# Altium PCB SDR.PcbDoc (part 3 of 5) (continued)
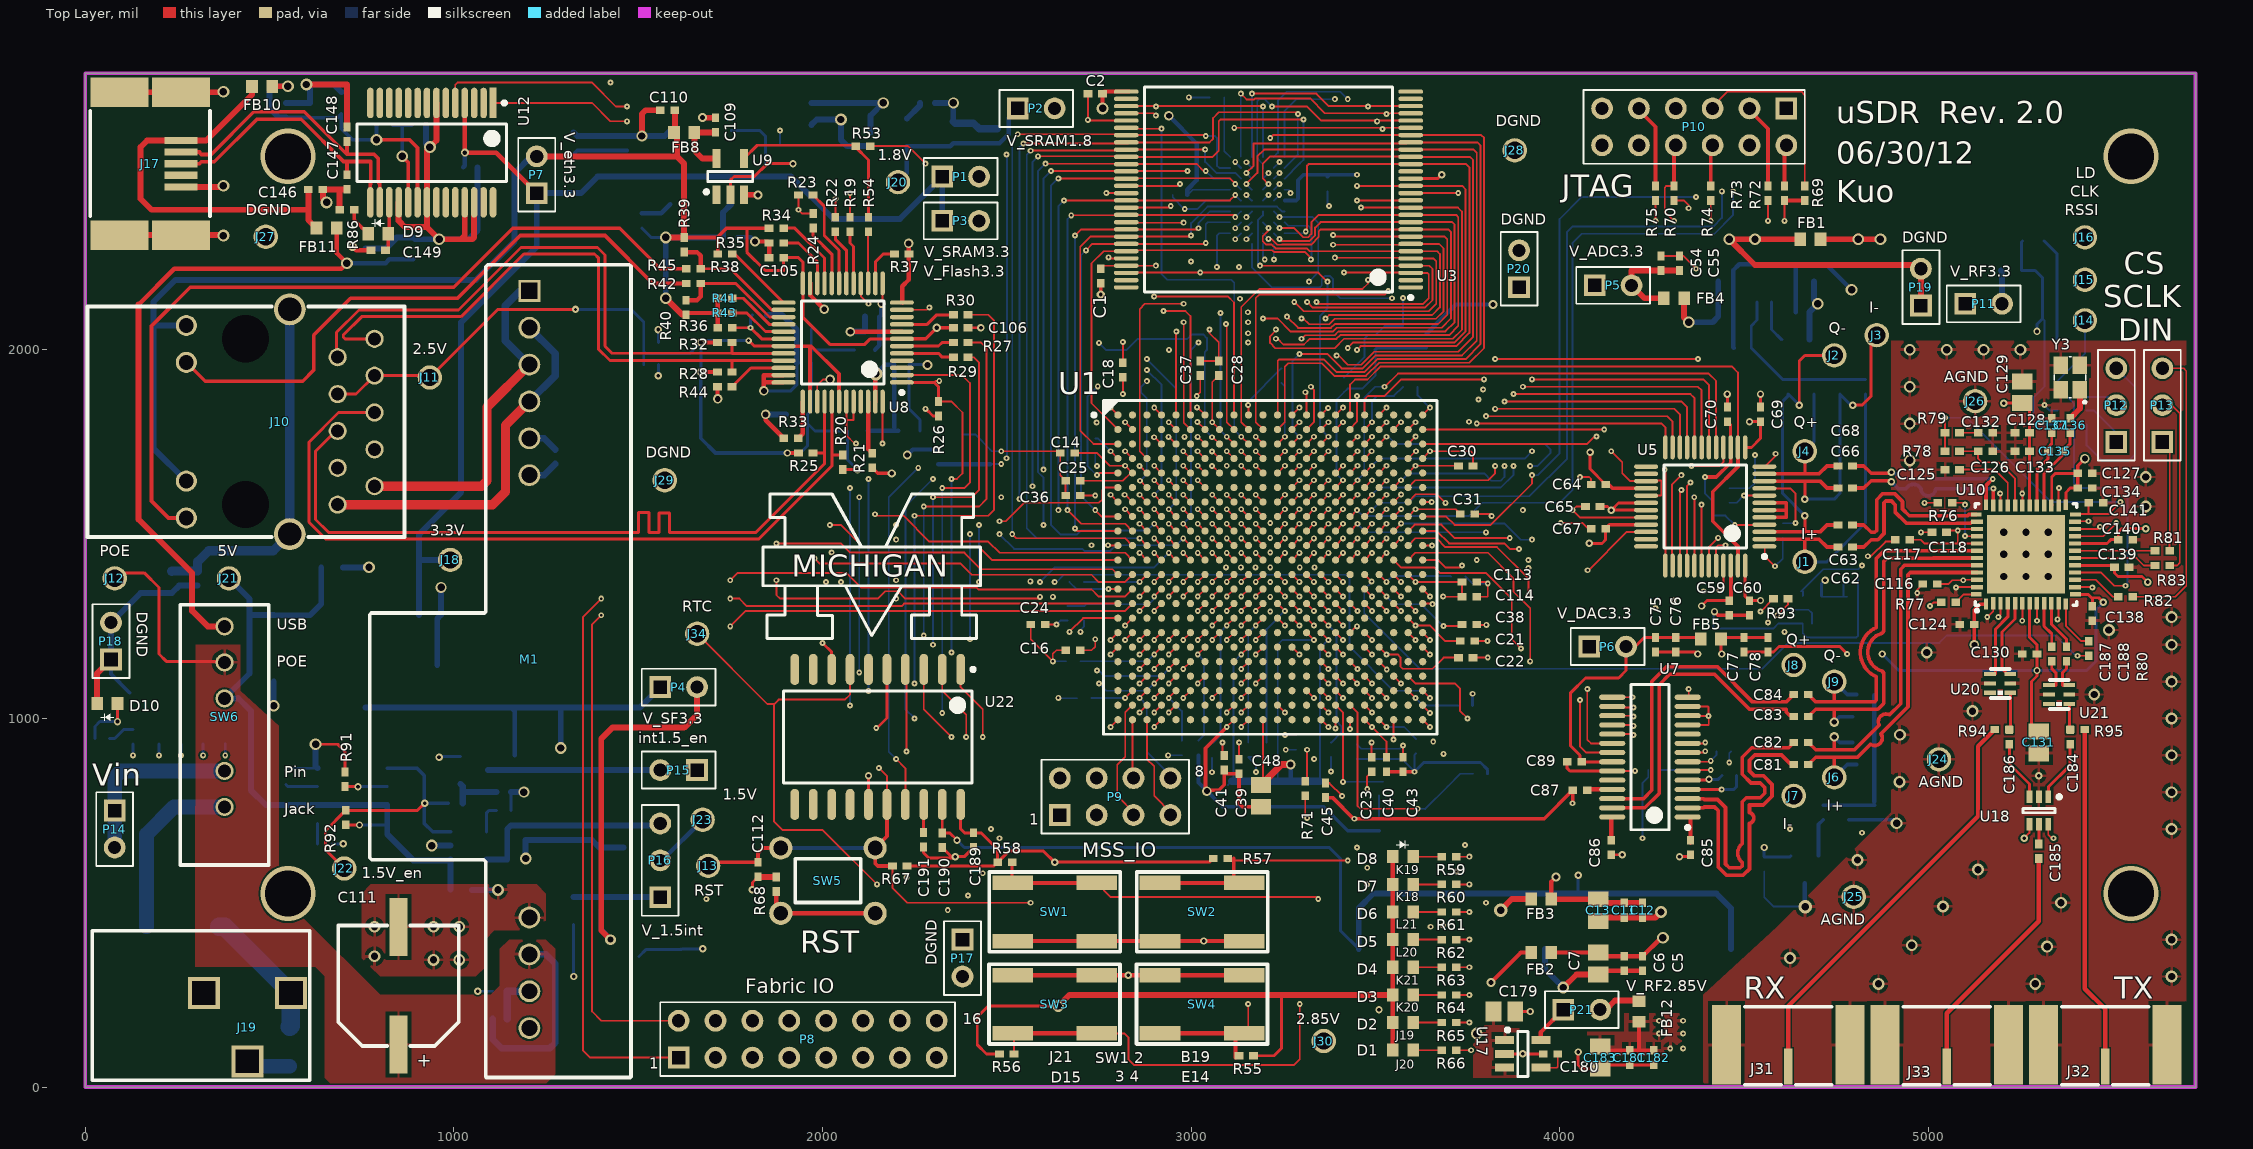
[diagram p0: Top Layer view]
## Nets (pads, with @x,y where several pads share a name; then routed paths per layer and width w, separated by ;. In a path a pad name is that pad's centre, name@x,y a point inside that pad or via, vN(x,y) a via of type N, cw(c..) or ccw(c..) an arc to the next point about the centre after c; other vN are vias at no path point) (continued)
  Top Layer w10: R70.2@4310,2444.69 P10.8@4310,2555
  Mid-Layer 2 w5: v1(3655,1310) 4230,1310 4240,1320 v1(4310,1320)
  Mid-Layer 3 w5: v1(4310,1320) v1(4310,2350)
LED_ACT: R39.1 R45.1 U8.26 | length 349.2
  Top Layer w8: R45.1@1674.69,2220 1750.31,2220 1861.72,2108.58 U8.26@1893.58,2108.58
  Top Layer w12: R39.1@1625,2265.32 1659.68,2265.32 1669.68,2255.32 R45.1@1669.68,2220
LED_SPD: R40.1 R42.1 U8.27 | length 335.8
  Top Layer w8: R42.1@1674.68,2180 1765,2180 1856.1,2088.9 U8.27@1893.58,2088.9
  Top Layer w12: R40.1@1630,2134.68 1659.68,2134.68 1669.68,2144.68 R42.1@1669.68,2180
MSS_USER_IO0: P9.1 U1.T3 | length 692.8
  Top Layer w5: v1(2860.67,1213.15) U1.T3@2880.35,1232.83
  Mid-Layer 3 w5: P9.1@2650,740 2705,795 2705,1205 2735,1235 2838.82,1235 v1(2860.67,1213.15)
MSS_USER_IO1: P9.2 U1.V3 | length 1065.6
  Top Layer w5: v1(2860.67,1134.41) U1.V3@2880.35,1154.09
  Mid-Layer 3 w5: P9.2@2650,840 2646,836 2600,790 2600,707 2618,689 2876,689 2900,713 2900,905 2958.26,963.26 2958.26,1145.74 2949.26,1154.74 2881,1154.74 v1(2860.67,1134.41)
MSS_USER_IO2: P9.3 U1.U3 | length 507.5
  Top Layer w5: v1(2860.67,1173.78) U1.U3@2880.35,1193.46
  Mid-Layer 3 w5: P9.3@2750,740 2800,790 2800,875 2840,915 2840,1153.11 v1(2860.67,1173.78)
MSS_USER_IO3: P9.4 U1.T4 | length 505.2
  Top Layer w5: v1(2900.04,1213.15) U1.T4@2919.72,1232.83
  Mid-Layer 3 w5: P9.4@2750,840 2750,875 2800,925 2800,1185 2810,1195 2880,1195 2898.15,1213.15 v1(2900.04,1213.15)
MSS_USER_IO4: P9.5 U1.AA2 | length 333.7
  Top Layer w5: U1.AA2@2840.98,1035.98 2821.3,1016.3 2821.3,896.3 2800,875 2800,790 2848,742 P9.5@2850,740
MSS_USER_IO5: P9.6 U1.AB2 | length 147.6
  Top Layer w5: P9.6@2840.98,849.02 U1.AB2@2840.98,996.61
MSS_USER_IO6: P9.7 U1.AB3 | length 285.5
  Top Layer w5: U1.AB3@2880.35,996.61 2880.35,889.65 2900,870 2900,790 2948,742 P9.7@2950,740
MSS_USER_IO7: P9.8 U1.Y3 | length 280.5
  Top Layer w5: v1(2860.67,1055.67) U1.Y3@2880.35,1075.35
  Bottom Layer w5: v1(2860.67,1055.67) 2880,1036.34 2880,910 2948,842 P9.8@2950,840
NetC61_2: C61.2 R2.1 R3.2 R4.2 R5.2 R6.2 R7.2 | length 477.1
  Bottom Layer w8: R2.1@4535.31,2130 4535.31,2080.63 R3.2@4519.69,2065 C61.2@4519.69,2005 4605,1919.69 R5.2@4620,1919.69 R7.2@4690,1919.69 R6.2@4760,1919.69 R4.2@4830,1919.69
NetC72_2: C72.2 U1.AA16 Y1.1 | length 381.3
  Top Layer w5: U1.AA16@3392.17,1035.98 3411.85,1016.3 v1(3411.85,828.15)
  Bottom Layer w5: v1(3411.85,828.15) Y1.1@3521.14,828.15 ; C72.2@3510,734.69 Y1.1@3510,790.71
NetC73_2: C73.2 U1.AA17 Y1.2 | length 638.4
  Top Layer w5: U1.AA17@3431.54,1035.98 3451.22,1016.3 3451.22,763.78 3460,755 v1(3615,755)
  Bottom Layer w5: v1(3615,755) 3635.71,755 ; 3635,754.29 3635.71,755 ; C73.2@3765.31,850 3730.71,850 Y1.2@3695.71,815 3635.71,755
NetC80_2: C80.2 R11.2 R12.1 R13.2 R14.2 R15.2 R16.2 | length 429
  Bottom Layer w10: R11.2@4715,764.69 R12.1@4785,764.68 C80.2@4855,764.69
  Bottom Layer w12: C80.2@4853.03,774.53 4853.03,875 4853.03,935 4853.03,1005 R16.2@4853.03,1063.5
NetC95_2: C95.2 C96.2 FB6.1 U8.13 | length 180.4
  Top Layer w5: v7@2163.27,2133.27 U8.13@2163.27,2180.43 U8.13@2163.27,2181.42
  Bottom Layer w12: FB6.1@2142.56,2000 2154.69,2012.13 C95.2@2154.69,2050 C96.2@2154.69,2090 2160,2095.31 v7(2160,2125)
NetC97_1: C97.1 C98.2 C99.2 C100.2 FB7.1 U8.47 | length 438.5
  Top Layer w12: U8.47@2143.58,1858.58 U8.47@2143.58,1859.57 v5@2143.58,1933.58
  Bottom Layer w12: FB7.1@2122.56,1780 C97.1@2205.47,1780 ; v5(2145,1935) 2170,1960 C98.2@2195.31,1960 C99.2@2195.31,1905 2195,1904.69 2195,1840 2195,1790.47 2195.31,1790.16 C100.2@2195.31,1840
NetC109_2: C109.2 FB8.1 U9.5 | length 175.7
  Top Layer w16: C109.2@1710,2590.31 1709.69,2590 FB8.1@1652.56,2590 1652.56,2540.87 1674.21,2519.21 U9.5@1712.6,2519.21
NetC126_1: C126.1 R78.2 U10.32 | length 265.9
  Top Layer w5: R78.2@5084.69,1725 C126.1@5135.31,1725 5135.31,1704.68 5145,1695 5190.47,1695 5235.47,1650 U10.32@5235.47,1577.87
NetC132_1: C132.1 R79.1 | length 50.6
  Top Layer w5: R79.1@5084.69,1775 C132.1@5135.31,1775
NetC135_1: C135.1 C136.2 U10.28 | length 226.8
  Top Layer w8: U10.28@5314.21,1577.87 5314.21,1664.21 5364.69,1714.68 C135.1@5364.69,1725 5385,1745.31 C136.2@5385,1775.31
NetC135_2: C135.2 C137.2 U10.29 | length 214.2
  Top Layer w8: U10.29@5294.53,1577.87 5294.53,1674.53 5325.31,1705.31 C135.2@5325.31,1725 5325.31,1735.31 5335,1745 C137.2@5335,1775.31
NetC136_1: C136.1 Y3.1 | length 86
  Top Layer w16: C136.1@5385,1814.68 5411.42,1841.1 Y3.1@5411.42,1889.72
NetC149_2: C149.2 D9.1 U12.17 | length 137.3
  Top Layer w10: C149.2@819.69,2265 822.56,2267.87 822.56,2270 D9.1@822.56,2315 824.84,2317.28 U12.17@824.84,2400.16
NetC154_2: C154.2 J19.1 L4.1 | length 362.4
  Bottom Layer w50: L4.1@363.43,435 378.11,435 J19.1@558.11,255 558.11,166.26 C154.2@555,163.15
NetC162_2: C162.2 U14.4 | length 57.6
  Bottom Layer w16: U14.4@2229.21,2627.4 2264.21,2662.4 2264.21,2668.9 C162.2@2265.31,2670
NetC167_2: C167.2 U15.4 | length 80.3
  Bottom Layer w8: U15.4@1089.21,692.4 1089.21,744.21 1095,750 C167.2@1115.31,750
NetC177_2: C177.2 U16.1 | length 55.1
  Bottom Layer w8: C177.2@630.31,660 630.31,714.8 U16.1@630.51,715
NetC178_2: C178.2 U16.3 | length 87.7
  Bottom Layer w8: C178.2@545,820.31 550.31,815 U16.3@630.51,815
NetC180_2: C180.2 U17.4 | length 81.9
  Top Layer w5: U17.4@3949.21,52.6 3992.6,52.6 3995,55 3994.69,55.31 C180.2@3994.69,90
NetC184_1: C184.1 U18.1 | length 167.5
  Top Layer w8: U18.1@5325.59,787.4 5325.59,813.88 5385,873.28 C184.1@5385,930.32
NetC185_2: C185.2 U18.5 | length 52.9
  Top Layer w8: C185.2@5300,659.69 U18.5@5300,712.6
NetC186_1: C186.1 U18.3 | length 165.5
  Top Layer w8: C186.1@5220,930.32 5220,876.29 5274.41,821.88 U18.3@5274.41,787.4
NetD1_2: D1.2 R66.2 | length 77.8
  Top Layer w5: D1.2@3602.56,100 R66.2@3680.31,100
NetD2_2: D2.2 R65.2 | length 77.8
  Top Layer w5: D2.2@3602.56,175 R65.2@3680.31,175
NetD3_2: D3.2 R64.2 | length 82.8
  Top Layer w5: D3.2@3602.56,250 R64.2@3680.31,250 R64.2@3685.31,250
NetD4_2: D4.2 R63.2 | length 77.8
  Top Layer w5: D4.2@3602.56,325 R63.2@3680.31,325
NetD5_2: D5.2 R62.2 | length 77.8
  Top Layer w5: D5.2@3602.56,400 R62.2@3680.31,400
NetD6_2: D6.2 R61.2 | length 82.8
  Top Layer w5: D6.2@3602.56,475 R61.2@3680.31,475 R61.2@3685.31,475
NetD7_2: D7.2 R60.2 | length 77.8
  Top Layer w5: D7.2@3602.56,550 R60.2@3680.31,550
NetD8_2: D8.2 R59.2 | length 77.8
  Top Layer w5: D8.2@3602.56,625 R59.2@3680.31,625
NetD9_2: D9.2 R86.2 | length 80.6
  Top Layer w10: R86.2@729.69,2380 729.69,2352.76 D9.2@767.44,2315
NetD10_1: D10.1 R88.2 | length 147.5
  Top Layer w8: v3(87.56,991.56) D10.1@87.56,1040
  Bottom Layer w8: R88.2@26.31,946 26.31,978.31 39.56,991.56 v3(87.56,991.56)
NetFB12_1: FB12.1 P21.2 | length 116.4
  Top Layer w16: P21.2@4110,210 4125,210 4150,235 4212.56,235 FB12.1@4215,232.56
NetJ10_12: J10.12 R42.2 | length 1650.2
  Top Layer w10: J10.12@274.37,1966.02 325.39,1915 590,1915 620,1945 620,2040 720,2140 1010,2140 1180,2310 1410,2310 1540,2180 R42.2@1630.31,2180
NetJ10_14: J10.14 R45.2 | length 2194.1
  Top Layer w10: J10.14@274.37,1543.98 226.02,1543.98 180,1590 180,2065 285,2170 1000,2170 1160,2330 1450,2330 1560,2220 R45.2@1630.31,2220
NetM1_5: M1.5 R50.1 | length 82.6
  Bottom Layer w18: M1.5@1205,1760 1244.68,1760 R50.1@1275,1729.68
NetM1_6: M1.6 R50.2 | length 82.6
  Bottom Layer w18: M1.6@1205,1660 1244.68,1660 R50.2@1275,1690.31
NetM1_9: M1.9 R47.1 R48.1 | length 135.3
  Bottom Layer w20: R47.1@1144.68,185 R48.1@1144.68,260 M1.9@1205,260
NetP14_1: P14.1 P14.2 SW6.2 | length 495.3
  Bottom Layer w40: P14.2@80,650 P14.1@80,750 80,840 97.64,857.64 SW6.2@378,857.64
NetP15_2: P15.2 Q1.3 R87.1 | length 467.7
  Bottom Layer w16: Q1.3@1092.4,860 1164.69,860 R87.1@1165,860.32 P15.2@1560,860.32
NetQ1_1: Q1.1 R89.1 R90.1 | length 146.2
  Bottom Layer w16: Q1.1@1017.6,822.6 Q1.1@1024.68,815.51 ; 1024.69,800 R90.1@1115.32,800
  Bottom Layer w18: R89.1@1024.68,770 1024.68,800 Q1.1@1024.68,815.51
NetQ2_1: Q2.1 U1.AB20 | length 3166.8
  Top Layer w5: v1(3549,943) 3549.65,943.65 U1.AB20@3549.65,996.61
  Mid-Layer 2 w8: v3(1325,300) 1365,260 3460,260 v3(3510,210)
  Mid-Layer 3 w8: v3(3510,210) 3550,250 v1@3550,943
  Bottom Layer w5: Q2.1@1325.04,441.1 Q2.1@1325.04,441.1
  Bottom Layer w8: v3(1325,300) Q2.1@1325.04,441.1
NetR1_2: R1.2 U2.A6 | length 168.3
  Bottom Layer w5: R1.2@3090,2684.68 3090,2539.29 U2.A6@3106.18,2523.11
NetR2_2: R2.2 U4.2 | length 114
  Bottom Layer w8: R2.2@4574.69,2130 4574.69,2055.51 U4.2@4602.6,2027.6
NetR8_2: R8.2 U5.8 | length 103.8
  Top Layer w5: v1(4500,1605) 4554.96,1605 U5.8@4555.43,1604.53
  Bottom Layer w5: R8.2@4460,1585.31 4480.31,1585.31 v1(4500,1605)
NetR11_1: R11.1 U6.2 | length 103.1
  Bottom Layer w10: U6.2@4702.4,627.4 4702.4,712.72 R11.1@4715,725.32
NetR17_2: R17.2 U7.6 | length 204
  Top Layer w5: U7.6@4347.36,857.5 4349.86,860 v1(4410,860)
  Bottom Layer w5: R17.2@4269.69,860 R17.2@4279.69,860 v1(4410,860)
NetR18_2: R18.2 U7.7 | length 95
  Top Layer w5: U7.7@4347.36,882.5 4407.5,882.5 v1(4410,885)
  Bottom Layer w5: v1(4410,885) 4425.31,900.31 R18.2@4425.31,910
NetR19_2: R19.2 U8.17 | length 142.8
  Top Layer w8: R19.2@2075,2320.31 2075,2290 2084.53,2280.47 U8.17@2084.53,2181.42
NetR21_1: R21.1 U8.46 | length 143.5
  Top Layer w12: U8.46@2123.9,1858.58 2123.9,1730.79 R21.1@2135,1719.68
NetR22_2: R22.2 U8.18 | length 151.3
  Top Layer w8: R22.2@2035,2320.31 2035,2300 2064.84,2270.16 U8.18@2064.84,2181.42
NetR23_2: R23.2 U8.19 | length 267.8
  Top Layer w8: R23.2@1974.69,2420 2005,2389.69 2005,2310.11 2045.16,2269.96 U8.19@2045.16,2181.42
NetR24_2: R24.2 U8.20 | length 169.8
  Top Layer w8: R24.2@1975,2330.31 1975,2310 2025.47,2259.53 U8.20@2025.47,2181.42
NetR27_2: R27.2 U8.6 | length 143
  Top Layer w8: U8.6@2216.42,2010.16 2315.16,2010.16 2325,2020 R27.2@2355.31,2020
NetR29_2: R29.2 U8.5 | length 143.2
  Top Layer w8: U8.5@2216.42,1990.47 2314.53,1990.47 2325,1980 R29.2@2355.31,1980
NetR30_2: R30.2 U8.9 | length 150.7
  Top Layer w8: U8.9@2217.2,2070 2216.42,2069.21 2284.21,2069.21 2310,2095 R30.2@2355.31,2095
NetR33_1: R33.1 U8.37 | length 103.6
  Top Layer w12: R33.1@1934.68,1760 1946.73,1772.05 U8.37@1946.73,1858.58
NetR34_2: R34.2 U8.21 | length 212.4
  Top Layer w8: R34.2@1894.69,2330 1925,2330 2005.79,2249.21 U8.21@2005.79,2181.42
NetR35_2: R35.2 U8.22 | length 170.1
  Top Layer w8: R35.2@1894.69,2290 1935,2290 1986.1,2238.9 U8.22@1986.1,2181.42
NetR37_2: R37.2 U8.14 | length 117.8
  Top Layer w8: U8.14@2143.58,2181.42 2143.58,2238.58 2165,2260 R37.2@2195.31,2260
NetR38_1: R38.1 U8.25 | length 193.1
  Top Layer w8: R38.1@1755,2260 1761.85,2260 U8.25@1893.58,2128.27
NetR44_2: R44.2 U8.34 | length 160.1
  Top Layer w8: R44.2@1754.69,1900 1805.79,1951.1 U8.34@1893.58,1951.1
NetR49_2: R49.2 Y2.1 | length 87.5
  Bottom Layer w12: R49.2@1510,2370.31 1562.64,2370.31 Y2.1@1587.32,2395
NetR51_1: R51.1 R52.1 Y2.3 | length 173.7
  Bottom Layer w8: Y2.3@1752.68,2595 1830,2595 1845.32,2579.68 R51.1@1845.32,2555 R52.1@1845.32,2505
NetR52_2: R52.2 U9.2 | length 263.2
  Top Layer w8: U9.2@1750,2420.79 1750,2460 1760,2470 1815,2470 1850,2505 v3(1920,2505)
  Bottom Layer w8: R52.2@1884.69,2505 v3(1920,2505)
NetR53_1: R53.1 R54.1 U9.4 | length 524.3
  Top Layer w8: U9.4@1787.4,2519.21 1823.19,2555 2085,2555 2088.86,2551.14 2125,2515 2125,2405 R54.1@2125,2359.68
NetR55_1: R55.1 SW4.1 SW4.3 U1.E14 | length 2016.8
  Top Layer w5: SW4.1@3155,157.09 v1(3155,225) ; U1.E14@3313.43,1665.91 v1(3333.11,1685.59)
  Top Layer w10: R55.1@3120.47,80 3120.47,85 3120.47,145.47 3121.26,146.26 SW4.1@3125,150
  Top Layer w12: SW4.3@2915.83,146.26 3121.26,146.26 SW4.1@3144.17,146.26
  Mid-Layer 3 w5: v1(3155,225) 3155,1655 3165,1665 3312.52,1665 v1(3333.11,1685.59)
NetR56_1: R56.1 SW3.1 SW3.3 U1.D15 | length 2622.2
  Top Layer w5: SW3.3@2515.83,146.26 2519.68,142.4 R56.1@2519.68,90 ; SW3.1@2745.43,145 2820,145 2830,135 2830,75 2845,60 3280,60 3295,75 v1(3295,225) ; U1.D15@3352.8,1705.28 v1(3372.48,1724.96)
  Top Layer w12: SW3.3@2515.83,146.26 SW3.1@2744.17,146.26
  Mid-Layer 3 w5: v1(3295,225) 3295,1060 3352.52,1117.52 3352.52,1705 v1(3372.48,1724.96)
NetR57_1: R57.1 SW2.1 SW2.3 U1.B19 | length 1911.5
  Top Layer w5: R57.1@3109.53,620 3120.47,615 v1(3425,615) ; U1.B19@3510.28,1784.02 v1(3529.96,1803.7)
  Top Layer w10: SW2.3@3115.47,555 3115.47,617.28 3115.47,620
  Top Layer w12: SW2.1@2915.83,553.74 SW2.3@3144.17,553.74
  Mid-Layer 3 w5: v1(3425,615) 3427.35,617.35 3427.35,944.72 3416.04,956.04 3416.04,977.96 3430,991.92 3430,1735 3440,1745 3495,1745 3510,1760 3510,1783.74 v1(3529.96,1803.7)
NetR58_1: R58.1 SW1.1 SW1.3 U1.J21 | length 2732.9
  Top Layer w5: SW1.3@2744.17,553.74 2782.41,515.5 3339.5,515.5 v1(3345,510) ; U1.J21@3589.02,1508.43 3606.36,1525.77 3679.23,1525.77 3715.5,1489.5 v1(3864.5,1489.5)
  Top Layer w8: R58.1@2514.68,610 2514.68,554.88 SW1.1@2515.83,553.74
  Top Layer w12: SW1.1@2515.83,553.74 SW1.3@2744.17,553.74
  Mid-Layer 2 w5: v1(3345,510) 3355,500 v1(3800,500)
  Mid-Layer 3 w5: v1(3800,500) 3805,500 3830,525 3830,1375 3910,1455 3910,1470 3890.5,1489.5 v1(3864.5,1489.5)
NetR68_2: R68.2 SW5.1 SW5.3 | length 333.3
  Top Layer w12: R68.2@1875,530.31 1875,483.46 SW5.3@1887.05,471.42 SW5.1@2142.95,471.42
  Bottom Layer w12: SW5.3@1887.05,457.95 SW5.3@1887.05,471.42
NetR71_2: R71.2 U1.R16 | length 564.3
  Top Layer w5: R71.2@3315,834.69 v1(3315,915) ; U1.R16@3392.17,1272.2 v1(3411.85,1252.52)
  Mid-Layer 2 w5: v1(3315,915) 3315,1265 3320,1270 3394.37,1270 v1(3411.85,1252.52)
NetR77_2: R77.2 U10.48 | length 64.5
  Top Layer w5: R77.2@5074.69,1315 5096.42,1336.73 U10.48@5130.16,1336.73
NetR80_2: R80.2 U10.12 | length 137.6
  Top Layer w5: U10.12@5373.27,1310.16 5373.27,1251.73 5415.31,1209.69 R80.2@5435,1209.69
NetR84_1: R84.1 R85.2 U12.19 | length 267.1
  Top Layer w10: v2(860,2525) 876.02,2508.98 U12.19@876.02,2400.16
  Bottom Layer w10: R84.1@834.68,2610 860,2610 ; v2(860,2525) 860,2610 ; R85.2@885.31,2610 860,2610
NetR91_2: R91.2 U16.6 | length 114.6
  Top Layer w8: R91.2@705,815.31 739.69,815.31 v3(740,815)
  Bottom Layer w8: v3(740,815) U16.6@819.49,815
NRESET: C112.2 J13.1 R67.1 SW5.2 SW5.4 U1.R1 U3.14 U8.48 U22.16 | length 8517.7
  Top Layer w5: v1(2153,866) 2175,844 U22.16@2175,766.93 ; v1(2163,1746) 2163.27,1746.27 U8.48@2163.27,1859.57 ; R67.1@2190.32,600 2190.32,539.68 2230,500 v1(2565,500) ; v1(2670,1235) 2707.2,1272.2 U1.R1@2801.61,1272.2 ; U3.14@3595.83,2425.16 v1(3724.84,2425.16)
  Top Layer w10: J13.1@1690,600 1699.69,609.69 C112.2@1825,609.69 1825,635 1838.58,648.58 SW5.4@1887.05,648.58 ; U22.16@2175,766.93 2175,680.63 SW5.2@2142.95,648.58 2142.95,607.05 2150,600 R67.1@2190.32,600
  Mid-Layer 2 w8: v1(1425,2725) 1400,2725 1370,2695 1370,735 1440,665 SW5.4@1870.63,665
  Mid-Layer 2 w10: SW5.4@1870.63,665 SW5.4@1887.05,648.58
  Mid-Layer 3 w5: v1(2153,866) 2166,879 2166,1743 v1(2163,1746) ; v1(2565,500) 2574,509 2574,889 2590,905 2655,905 2670,920 v1(2670,1235)
  Mid-Layer 3 w8: v1(1425,2725) 3680,2725 3725,2680 v1@3725,2425.32
  Mid-Layer 3 w10: v1(3724.84,2425.16) v1@3725,2425.32
  Bottom Layer w10: SW5.4@1887.05,648.58 SW5.2@2142.95,648.58
NWEN: R43.1 U8.29 | length 159.5
  Top Layer w8: R43.1@1755,2100 1795,2100 1845.47,2049.53 U8.29@1893.58,2049.53
P\D\: R31.1 R36.1 U8.30 | length 188.3
  Top Layer w8: R36.1@1755,2060 v1(1805,2060) 1835.16,2029.84 U8.30@1893.58,2029.84
  Bottom Layer w8: v1(1805,2060) 1805,2089.68 R31.1@1810.32,2095
PU_N: P15.1 U1.W17 | length 2705.6
  Top Layer w5: U1.W17@3431.54,1114.72 3431.54,1113.96 v1(3450.5,1095)
  Mid-Layer 2 w5: v1(1685,510) 1685.41,510.41 1715.41,510.41 1805,600 2200,600 2250,650 v1(3450,650)
  Mid-Layer 3 w5: P15.1@1660,860 1634.43,834.43 1634.43,560.57 v1(1685,510) ; v1(3450,650) 3470,650 3470,745 3450,765 3450.5,765.5 v1(3450.5,1095)
R\X\_TX: R93.2 U18.6 U19.2 | length 1588.3
  Top Layer w5: v1(4590,1280) 4619.69,1309.69 R93.2@4619.69,1325 ; U18.6@5325.59,712.6 5325.59,684.41 5337.5,672.5 5340,670 v1(5340,675)
  Mid-Layer 2 w5: v1(4625,700) 4680,645 5310,645 v1(5340,675)
  Mid-Layer 3 w5: v1(4590,1280) 4590,735 v1(4625,700)
  Bottom Layer w5: v1(4590,1280) 4605,1295 4675,1295 4685,1285 U19.2@4685,1257.6
RD_N: J10.2 R32.2 U8.32 | length 1670
  Top Layer w8: J10.2@685,1980 682,1983 682,2042.46 682,2047.46 742.54,2108 1012.54,2108 1182.54,2278 1389.46,2278 1410,2257.46 1410,2010 1429.21,1990.79 1754.69,1990.79 ; R32.2@1754.69,2020 1754.69,1990.79 ; U8.32@1894.57,1990.47 1755,1990.47 1754.69,1990.79
RD_P: J10.1 R28.2 U8.33 | length 1673.4
  Top Layer w8: J10.1@785,2030 705,2030 700,2035 700,2040 750,2090 1020,2090 1190,2260 1382,2260 1392,2250 1392,2002.54 1423.76,1970.79 1755,1970.79 ; R28.2@1754.69,1940 1754.69,1970.47 1755,1970.79 ; U8.33@1894.57,1970.79 1755,1970.79
RF_C\S\: P13.3 R82.2 U1.H20 | length 3995.7
  Top Layer w5: U1.H20@3549.65,1547.8 v1(3570,1568.15) ; R82.2@5554.69,1330 5670,1330 5700,1360 5700,1942.65 5692.65,1950 P13.3@5635,1950
  Mid-Layer 2 w5: v1(3792.5,1892.5) 3990,2090 3990,2260 4235,2505 5440,2505 5635,2310 P13.3@5635,1950
  Mid-Layer 3 w5: v1(3570,1568.15) 3585.5,1583.65 3585.5,1865.5 3612.5,1892.5 v1(3792.5,1892.5)
RF_DIN: P13.1 R81.2 U1.J22 | length 3996.5
  Top Layer w5: U1.J22@3628.39,1508.43 3666.57,1508.43 3700,1475 3850,1475 3865,1460 v1(3890,1460) ; P13.1@5635,1750 5655,1730 5655,1500 5654.69,1499.69 R81.2@5654.69,1455
  Mid-Layer 2 w5: v1(3754,1805) 4025,2076 4025,2225 4275,2475 5415,2475 5570,2320 5570,1775 5595,1750 P13.1@5635,1750
  Mid-Layer 3 w5: v1@3755,1805 3755,1425 3775,1405 3835,1405 v1(3890,1460)
RF_LD: J16.1 U10.22 | length 922.5
  Top Layer w5: U10.22@5397.87,1513.9 5460,1513.9 v1(5466.1,1520)
  Mid-Layer 2 w5: J16.1@5425,2305 5365,2245 5365,1805 5455,1715 5455,1531.1 v1(5466.1,1520)
RF_R\X\/TX: R77.1 R93.1 U1.L18 | length 1746.2
  Top Layer w5: U1.L18@3470.91,1429.69 3490.22,1449 v1(3491,1449) ; v1(4545,1290) 4580,1325 R93.1@4580.31,1325 ; v1(5005,1305) 5015,1315 R77.1@5035.31,1315
  Mid-Layer 2 w5: v1(3491,1449) 3550,1390 4066.08,1390 4087.08,1369 4535,1369 4599,1305 ; v1(4545,1290) 4560,1305 4599,1305 ; v1(5005,1305) 4599,1305
RF_RX_ALT: J31.1 R94.1 | length 1146.4
  Top Layer w11.9: J31.1@4620,55.71 4620,220 5135,735 5135,924.69 R94.1@5180.31,970
RF_RX_UB: C186.2 R94.2 U20.1 | length 97.2
  Top Layer w8: R94.2@5222.56,972.24 U20.1@5222.56,1069.41
RF_RXHP: R76.2 U10.40 | length 154.8
  Top Layer w5: R76.2@5064.69,1585 5095,1585 v1(5100,1580) ; v1(5100,1495) 5100.79,1494.21 U10.40@5132.13,1494.21
  Bottom Layer w5: v1(5100,1495) v1(5100,1580)
RF_S\H\D\N\: R80.1 U1.M18 | length 2210.1
  Top Layer w5: U1.M18@3470.91,1390.32 v1(3490,1371.22) v1@3490,1370 ; v1(5405,1170) 5434.68,1170 R80.1@5435,1170.32
  Bottom Layer w5: v1(3490,1371.22) 3490,1370 3470,1350 3470,1285 3620,1135 4550,1135 4620,1205 5030,1205 5050,1225 5345,1225 5400,1170 v1(5405,1170)
RF_SCLK: P13.2 R83.2 U1.L22 | length 3798.6
  Top Layer w5: U1.L22@3628.39,1429.69 3670.31,1429.69 3690,1410 v1@3730,1410 ; P13.2@5635,1850 5660,1850 5682.35,1827.65 5682.35,1422.35 5675,1415 R83.2@5654.69,1415
  Mid-Layer 2 w5: v1(3780,1865) 3795,1865 4010,2080 4010,2245 4255,2490 5425,2490 5590,2325 5590,1895 P13.2@5635,1850
  Mid-Layer 3 w5: v1(3735,1415) 3735,1820 v1(3780,1865)
RF_SW_UB: C185.1 J33.1 | length 668.2
  Top Layer w11.9: J33.1@5050,55.71 5050,200 5300,450 C185.1@5300,620.32
RF_TX_ALT: J32.1 R95.1 | length 937.2
  Top Layer w11.9: R95.1@5424.69,970 5424.69,266.93 5480,211.62 J32.1@5480,55.71
RF_TX_I_BIAS_N: C82.1 U7.3 | length 862
  Top Layer w10: U7.3@4349.51,782.48 4390,782.48 4392.49,779.99 4428.28,779.99 4450,758.27 4450,605 4460,595 4490,595 4495,600 4495,610 cw(c4514.94,635) 4495,660 4495,774.14 4505.86,785 4543.98,785 4556.12,797.14 4556.12,812.86 4543.98,825 4518.86,825 4495,848.86 4495,895 4520.86,920.86 4621.17,920.86 C82.1@4635.31,935
RF_TX_I_BIAS_P: C81.1 U7.2 | length 862
  Top Layer w10: U7.2@4349.51,757.5 4390,757.5 4392.49,759.99 4420,759.99 4430,749.99 4430,596.72 4451.72,575 4498.28,575 4515,591.72 4515,715 ccw(c4511.19,730) 4515,745 4515,765 4552.26,765 4576.12,788.86 4576.12,821.14 4552.26,845 4527.14,845 4515,857.14 4515,886.72 4529.14,900.86 4601.58,900.86 C81.1@4627.44,875
RF_TX_I_N: C82.2 J7.1 R14.1 U10.44 | length 1196.5
  Top Layer w10: C82.2@4674.69,935 4694.69,915 4745,915 ; v10(4745,950) 4745,915 ; U10.44@5132.13,1415.47 4935.47,1415.47 4925,1405 4925,1040 4894.85,1009.85 ccw(c4885.56,990.86) 4866.57,981.57 4800,915 4745,915
  Mid-Layer 3 w10: J7.1@4635,790 4635,840 v10(4745,950)
  Bottom Layer w10: v10(4745,950) 4760,935 R14.1@4795.47,935
RF_TX_I_P: C81.2 J6.1 R13.1 U10.45 | length 1029.1
  Top Layer w10: C81.2@4674.69,875 4694.69,895 4745,895 ; J6.1@4745,840 4745,895 ; U10.45@5132.13,1395.79 4950.79,1395.79 4945,1390 4945,1031.72 4871.57,958.28 cw(c4854.71,946.86) 4843.28,930 4808.28,895 4745,895
  Bottom Layer w10: J6.1@4745,840 4780,875 R13.1@4805.31,875
RF_TX_Q_BIAS_N: C84.1 U7.26 | length 859.9
  Top Layer w10: U7.26@4140.49,782.48 U7.26@4142.64,782.5 4227.48,782.48 4250,805 4250,1100 4290,1140 4428.28,1140 4523.28,1045 4615,1045 4627.44,1057.44 C84.1@4627.44,1065
RF_TX_Q_BIAS_P: C83.1 U7.27 | length 862
  Top Layer w10: U7.27@4140.49,757.5 U7.27@4142.64,757.5 4230.78,757.5 4270,796.72 4270,1091.72 4298.28,1120 4420,1120 4515,1025 4615,1025 4615,1017.44 C83.1@4627.44,1005
RF_TX_Q_N: C84.2 J9.1 R16.1 U10.42 | length 1025.7
  Top Layer w10: C84.2@4674.69,1065 4694.69,1045 ; 4695,1045 4745,1045 ; J9.1@4745,1100 4745,1045 ; U10.42@5132.13,1454.84 5005.16,1454.84 5005,1455 4880,1455 4859.14,1434.14 4859.14,1246.86 ccw(c4888.73,1180) 4859.14,1113.14 4859.14,1049.14 4855,1045 4745,1045
  Bottom Layer w10: J9.1@4745,1100 4780,1065 R16.1@4805.31,1065
RF_TX_Q_P: C83.2 J8.1 R15.1 U10.43 | length 1191.5
  Top Layer w10: C83.2@4674.69,1005 4694.69,1025 ; 4695,1025 4745,1025 ; v10(4745,990) 4745,1025 ; U10.43@5132.13,1435.16 5013.44,1435.16 5013.28,1435 4888.28,1435 4879.14,1425.86 4879.14,1240 cw(c4869.14,1240) 4872.24,1230.49 ccw(c4888.73,1180) 4872.24,1129.51 cw(c4869.14,1120) 4879.14,1120 4879.14,1040.86 4863.28,1025 4745,1025
  Mid-Layer 3 w10: J8.1@4635,1145 4635,1100 v10(4745,990)
  Bottom Layer w10: v10(4745,990) 4760,1005 R15.1@4795.47,1005
RF_TX_UB: C184.2 R95.2 U21.1 | length 67.3
  Top Layer w8: C184.2@5382.56,972.13 U21.1@5382.56,1039.41
RMII_CRSDV: R30.1 U1.W4 | length 1962.2
  Top Layer w5: v1(2250,1550) 2450,1550 2465,1565 2465,2080 2450,2095 R30.1@2394.68,2095 ; v1(2900.04,1095.04) U1.W4@2919.72,1114.72
  Mid-Layer 2 w5: v1(2250,1095) v1(2750,1095)
  Bottom Layer w5: v1(2250,1095) v1(2250,1550) ; v1(2750,1095) 2770,1075 2880,1075 v1(2900.04,1095.04)
RMII_MDC: U1.AA3 U8.2 | length 1718.7
  Top Layer w5: U8.2@2215.43,1931.42 2378.58,1931.42 2400,1910 2400,1640 2385,1625 v1(2325,1625) ; v1(2860.67,1016.3) U1.AA3@2880.35,1035.98
  Mid-Layer 2 w5: v1(2325,1015) 2326.3,1016.3 v1(2860.67,1016.3)
  Bottom Layer w5: v1(2325,1015) v1(2325,1625)
RMII_MDIO: R26.1 U1.V4 U8.1 | length 1505.4
  Top Layer w5: 2303.27,1911.73 2307.45,1915.92 v1(2317,1915.92) ; R26.1@2315,1859.68 2350.32,1859.68 2380,1830 2380,1665 2365,1650 v1(2350,1650) ; v1(2900.04,1134.41) U1.V4@2919.72,1154.09
  Top Layer w8: U8.1@2216.42,1911.73 2303.27,1911.73 2315,1900 R26.1@2315,1859.68
  Mid-Layer 2 w5: v1(2350,1179) 2631.82,1179 2660.91,1149.91 2885.09,1149.91 2900.04,1134.96 v1(2900.04,1134.41)
  Bottom Layer w5: v1(2350,1179) v1(2350,1650)
RMII_REF_CLK: R53.2 U1.T6 | length 2137.8
  Top Layer w5: R53.2@2129.69,2552.6 2232.4,2552.6 v1(2280,2505) ; v1(2978.78,1213.15) U1.T6@2998.46,1232.83
  Mid-Layer 2 w5: v1(2400,1215) 2701.92,1215 2726.92,1240 2800,1240 2805,1235 2956.93,1235 v1(2978.78,1213.15)
  Mid-Layer 3 w5: v1(2280,2505) 2280,2312 2400,2192 v1(2400,1500)
  Bottom Layer w5: v1(2400,1215) v1(2400,1500)
RMII_REF_CLK_E: R54.2 U8.15 | length 137.5
  Top Layer w5: U8.15@2123.9,2181.42 R54.2@2123.9,2318.9
RMII_RX_ER: U1.AA4 U8.11 | length 1956.7
  Top Layer w5: U8.11@2214.33,2106.5 2215.93,2108.09 2216.42,2108.58 2283.58,2108.58 v1(2290,2115) ; v1(2900.04,1016.3) U1.AA4@2919.72,1035.98
  Mid-Layer 2 w5: v1(2250,1000) 2255,995 2878.74,995 v1(2900.04,1016.3)
  Mid-Layer 3 w5: v1(2290,2115) 2256,2081 2256,1919 2300,1875 v1(2300,1650)
  Bottom Layer w5: v1(2250,1000) 2225,1025 2225,1575 v1(2300,1650)
RMII_RXD0: R27.1 U1.V5 | length 1775.8
  Top Layer w5: v1(2275,1575) 2425,1575 2445,1595 2445,2005 2430,2020 R27.1@2394.68,2020 ; v1(2939.41,1134.41) U1.V5@2959.09,1154.09
  Mid-Layer 2 w5: v1(2275,1225) 2275,1165 2309.5,1130.5 v1(2745,1130.5)
  Bottom Layer w5: v1(2275,1225) v1(2275,1575) ; v1(2745,1130.5) 2749.5,1130.5 2765,1115 2920,1115 v1(2939.41,1134.41)
RMII_RXD1: R29.1 U1.U5 | length 1592.9
  Top Layer w5: v1(2300,1600) 2405,1600 2425,1620 2425,1965 2410,1980 R29.1@2394.68,1980 ; v1(2939.41,1173.78) U1.U5@2959.09,1193.46
  Mid-Layer 2 w5: v1(2300,1200) 2305,1195 2918.19,1195 v1(2939.41,1173.78)
  Bottom Layer w5: v1(2300,1200) v1(2300,1600)
RMII_TXD0: R19.1 U1.AA5 | length 2376
  Top Layer w5: R19.1@2075,2359.68 v1(2075,2425) ; v1(2939.41,1016.3) U1.AA5@2959.09,1035.98
  Mid-Layer 2 w5: v1(2075,1035) 2920.71,1035 v1(2939.41,1016.3) ; v1(2075,1625) 2075,2005 2100,2030 2100,2400 v1(2075,2425)
  Bottom Layer w5: v1(2075,1035) v1(2075,1625)
RMII_TXD1: R22.1 U1.W5 | length 2256.5
  Top Layer w5: R22.1@2035,2359.68 v1(2035,2410) ; v1(2939.41,1095.04) U1.W5@2959.09,1114.72
  Mid-Layer 2 w5: v1(2035,2410) 2050,2395 2050,1625 2075,1600 v1(2100,1600) ; v1(2100,1125) 2110,1115 2919.45,1115 v1(2939.41,1095.04)
  Bottom Layer w5: v1(2100,1125) v1(2100,1600)
RMII_TXEN: U1.Y4 U8.16 | length 1945.6
  Top Layer w5: U8.16@2104.21,2180.43 2104.21,2145.79 v1(2125,2125) ; v1(2900.04,1055.67) U1.Y4@2919.72,1075.35
  Mid-Layer 2 w5: v1(2125,1075) 2880.71,1075 v1(2900.04,1055.67) ; v1(2125,1650) 2125,1900 2100,1925 2100,1960 2125,1985 v1(2125,2125)
  Bottom Layer w5: v1(2125,1075) v1(2125,1650)
RSSI: J14.1 U10.16 U11.3 | length 1066.4
  Top Layer w5: U10.16@5397.87,1395.79 5469.21,1395.79 5505,1360 v1(5535,1360)
  Bottom Layer w5: J14.1@5425,2080 5425,1990 5350.63,1915.63 U11.3@5350.63,1872.4 5377.6,1872.4 5395,1855 5395,1640 5410,1625 5525,1625 5540,1610 5540,1365 v1(5535,1360)
RSSI_C\S\: P12.3 U1.H17 U11.6 | length 3779.2
  Top Layer w5: U1.H17@3431.54,1547.8 3432.8,1547.8 v1(3450,1565)
  Mid-Layer 2 w5: v1(4470,2430) 5410,2430 5515,2325 5515,1955 P12.3@5510,1950
  Bottom Layer w5: v1(3450,1565) 3465.5,1549.5 3754.5,1549.5 3790,1585 4000,1585 4035,1620 4035,2290 4060,2315 4420,2315 4470,2365 v1(4470,2430) ; U11.6@5429.37,1797.6 5429.37,1740.63 5470,1700 5545,1700 5560,1715 5560,1900 P12.3@5510,1950
RSSI_SCLK: P12.2 U1.H18 U11.4 | length 3497.1
  Top Layer w5: U1.H18@3470.91,1547.8 3488.11,1565 v1(3490,1565)
  Mid-Layer 2 w5: v1(4440,2430) 4440,2440 4455,2455 5410,2455 5555,2310 5555,1895 P12.2@5510,1850
  Bottom Layer w5: v1(3490,1565) 3510,1585 3590,1585 3607.67,1602.67 3917.67,1602.67 4020,1705 4020,2320 4035,2335 4253.08,2335 4253.58,2334.5 4416.42,2334.5 4440,2358.08 v1(4440,2430) ; U11.4@5429.37,1872.4 5487.6,1872.4 P12.2@5510,1850
RSSI_SDATA: P12.1 U1.H22 U11.5 | length 3398.1
  Top Layer w5: U1.H22@3628.39,1547.8 3692.2,1547.8 3715,1525 3812.92,1525 3925,1637.08 v1(3925,1660)
  Mid-Layer 2 w5: v1(4370,2415) 4380,2405 5405,2405 5485,2325 5485,2045 5455,2015 5455,1805 P12.1@5510,1750
  Bottom Layer w5: v1(3925,1660) 3940,1660 4000,1720 4000,2355 4060,2415 v1(4370,2415) ; U11.5@5429.37,1835 5450,1835 5510,1775 P12.1@5510,1750